# Altium PCB 电解模块主控板_V1.1_ZM_20211015.PcbDoc (part 4 of 4)
Units mm, origin at the board's own origin, x right, y up, seen from the top; angles counter-clockwise.
Board outline 150.25 x 100.26 mm, 2 copper layers (Top Layer, Bottom Layer); 200 components, 151 nets, 656 pads, 1528 vias.
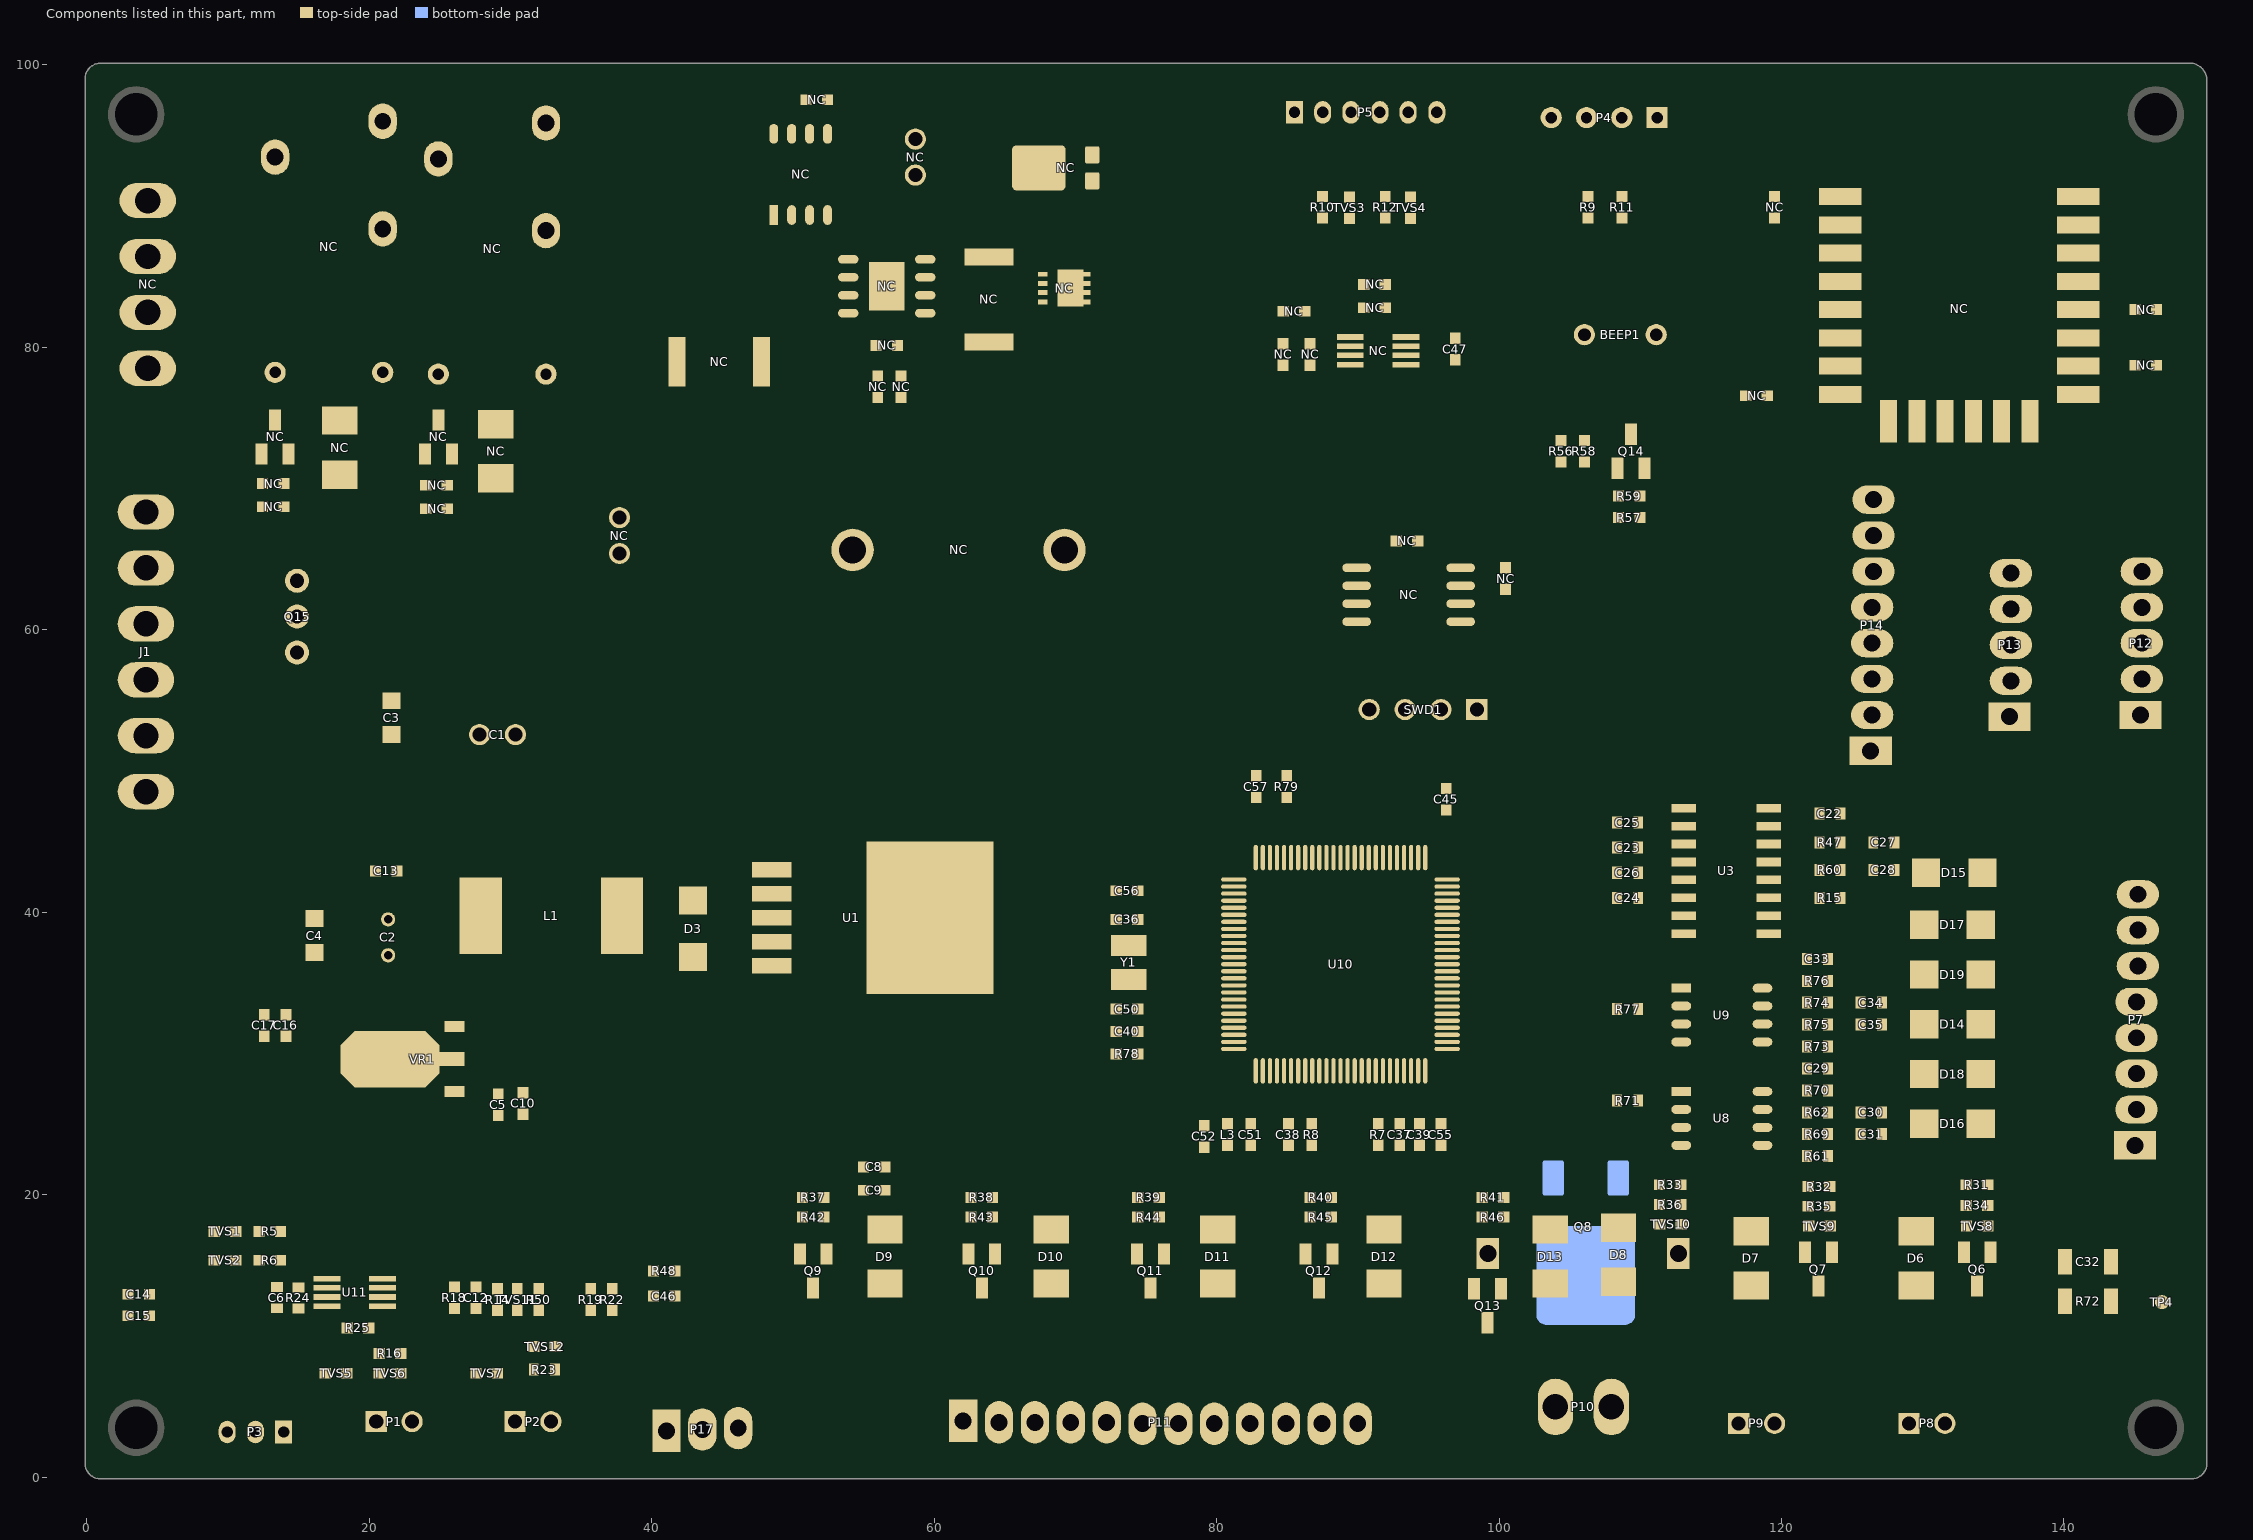
[diagram p4: the components of this part, seen from the top]

## Polygon pours and split planes (outlines as drawn)
RCS on Bottom Layer "Top Layer-No Net" (solid, remove dead copper, pour order 0): 11.049,98.806 14.732,98.806 16.002,98.806 16.256,98.552 16.383,98.425 25.908,98.425 27.432,98.425 27.813,98.044 31.496,94.361 37.084,94.361 38.1,94.361 42.672,89.789 44.069,88.392 44.069,77.724 44.069,77.343 43.307,76.581 43.18,76.454 40.259,76.454 38.862,76.454 38.1,77.216 37.084,78.232 37.084,80.391 37.084,86.487 35.179,88.392 34.163,89.408 30.48,89.408 11.303,89.408 10.795,89.916 10.16,90.551 10.16,94.488 10.16,97.917 11.049,98.806
GND on Bottom Layer "Top Layer-No Net" (solid, remove dead copper, pour order 12): -3.988,103.048 154.254,103.048 155.143,103.937 157.048,102.032 157.048,-4.521 120.726,-4.521 117.297,-7.95 113.487,-4.14 -5.004,-4.14 -5.004,103.937 -4.75,104.191
GND on Top Layer "Top Layer-No Net" (solid, remove dead copper, pour order 10): -19.431,108.204 -11.92,100.693 156.464,100.693 156.464,-1.651 -7.747,-1.651 -7.747,100.693

## Keep-outs
Keep-Out Layer:
  circle w0.127: c3.475,3.475 r3
  circle w0.127: c3.525,96.566 r3
  circle w0.127: c146.553,96.515 r3
  circle w0.127: c146.451,3.525 r3
  lines w0.254: 0.746,100 148.746,100 ; 1,100 ccw(c1,99) 0,99 0,1 ccw(c1,1) 1,0 149,0 ccw(c149,1) 150,1 150,99 ccw(c148.859,98.859) 148.717,100
Mechanical 1:
  lines w0.254: 0.762,100 148.762,100 ; 1.016,100 ccw(c1.016,99) 0.016,99 0.016,1 ccw(c1.016,1) 1.016,0 149.016,0 ccw(c149.016,1) 150.016,1 150.016,99 ccw(c148.875,98.859) 148.733,100

## Other copper
Top Layer:
  rectangle net NetC32_2: 144.094,1.295 148.692,16.637
  rectangle net NetC32_2: 142.799,11.278 148.184,16.637
  rectangle net GND: 55.753,81.534 57.531,87.122
  rectangle net GND: 52.578,36.703 66.675,42.799
  rectangle net GND: 57.785,33.909 61.976,45.466
  rectangle net GND: 13.183,57.963 16.743,58.776
  rectangle net GND: 14.478,57.302 15.367,59.334
  rectangle net GND: 1.422,56.032 7.315,57.15
  rectangle net GND: 3.226,46.584 4.826,58.242
  rectangle net GND: 1.27,52.095 7.163,52.984
  rectangle net GND: 1.524,48.133 7.264,49.2
  region net VDD12V: 13.614,66.599 13.64,66.573 20.218,66.573 21.463,65.329 21.463,62.789 20.23,61.555 17.344,61.555 16.365,62.535 13.513,62.535 13.183,62.865 13.437,63.119 13.437,66.396 13.564,66.523
  region net VDD12V1: 24.511,53.34 25.273,54.102 29.083,54.102 29.083,51.943 28.321,51.181 20.447,51.181 20.193,51.435 20.193,52.959 20.574,53.34
  region net RCS: 37.211,83.566 43.434,83.566 43.942,83.058 43.942,77.216 43.307,76.581 38.608,76.581 37.211,77.978
  region net NetNC_1: 1.524,83.82 22.987,83.82 29.337,90.17 33.782,90.17 35.56,88.392 35.56,81.788 33.274,79.502 10.287,79.502 7.747,76.962 0.762,76.962 0.508,77.216 0.508,82.804
  region net NetNC_1: 1.27,91.694 9.271,91.694 22.225,91.694 23.241,90.678 23.241,85.471 22.352,84.582 1.27,84.582 0.762,85.09 0.762,91.186
  region net VO+: 17.145,99.314 41.402,99.314 47.625,93.091 49.911,93.091 50.419,92.583 50.419,88.519 50.165,88.265 37.211,88.265 30.607,94.869 22.606,94.869 21.251,93.514 17.145,93.514 17.145,94.028 17.145,94.869
  region net VDD_ELE: 68.961,94.996 69.469,94.488 69.469,89.662 68.072,88.265 50.673,88.265 50.673,93.091 60.071,93.091 61.976,94.996
  region net NetNC_1: 77.851,59.69 79.248,61.087 79.248,93.091 77.47,94.869 69.85,94.869 69.85,86.868 68.603,85.503 68.603,75.819 65.532,72.074 65.532,59.69
  region net VDD12V: 19.177,58.928 53.467,58.928 57.023,62.484 57.023,71.374 56.007,72.39 44.196,72.39 38.354,66.548 19.177,66.548
  region net VDD12V: 2.794,70.104 9.271,70.104 12.776,66.599 15.926,66.599 15.926,62.509 12.979,62.509 9.271,58.801 2.794,58.801 1.905,59.69 1.905,69.215
Bottom Layer:
  rectangle net RCS: 12.827,91.694 13.843,95.631
  rectangle net RCS: 11.684,93.218 15.113,93.98
  rectangle net RCS: 24.511,90.932 25.273,93.472
  rectangle net RCS: 23.114,92.837 27.178,93.726
  rectangle net GND: 13.335,58.064 16.383,58.776
  region net NetD8_1: 103.911,17.932 103.937,17.958 109.931,17.958 110.388,17.501 110.388,4.674 108.458,2.743 106.705,2.743 106.248,3.2 106.248,9.5 105.054,10.693 103.022,10.693 102.184,11.532 102.184,17.501 102.616,17.932
  region net NetNC_1: 1.651,83.82 22.987,83.82 27.305,88.138 34.163,88.138 35.433,86.868 35.433,81.915 33.147,79.629 9.779,79.629 7.239,77.089 0.889,77.089 0.635,77.343 0.635,82.804
  region net NetNC_1: 6.35,91.694 9.271,88.773 22.606,88.773 23.114,88.265 23.114,85.344 22.352,84.582 1.143,84.582 0.508,85.217 0.508,91.059 1.143,91.694
  region net VO+: 17.145,99.314 41.402,99.314 47.625,93.091 49.911,93.091 50.419,92.583 50.419,88.519 50.165,88.265 43.18,88.265 30.734,94.869 22.606,94.869 21.765,94.028 17.145,94.028 17.145,94.869
  region net VDD12V: 2.794,70.104 9.271,70.104 12.776,66.599 15.977,66.599 15.977,62.535 13.005,62.535 9.271,58.801 2.794,58.801 1.905,59.69 1.905,69.215

## Silkscreen, mask and mechanical layers (free items; w line width, h text height)
Top Overlay:
  circle w0.5: c3.5,3.5 r2.5
  circle w0.5: c3.5,96.5 r2.5
  circle w0.5: c146.5,96.5 r2.5
  circle w0.5: c146.5,3.5 r2.5
  text "uart3" at 79.248,95.631 h2.03
  text "uart1" at 115.062,94.234 h2.03
  text "电解" at 7.366,93.472 h2.03
  text "+" at 9.906,89.408 h2.03
  text "+" at 9.906,85.852 h2.03
  text "-" at 10.287,82.169 h2.03 r90
  text "-" at 10.16,79.375 h2.03 r90
  text "+" at 10.668,67.564 h2.03
  text "+" at 10.541,64.135 h2.03
  text "12V" at 130.454,63.856 h1.27
  text "GND" at 130.683,61.112 h1.27
  text "+" at 10.795,60.198 h2.03
  text "A" at 131.648,59.106 h1.27
  text "-" at 11.684,56.515 h2.03 r90
  text "B" at 131.623,56.21 h1.27
  text "-" at 11.557,52.832 h2.03 r90
  text "AOPWMG_V1.3 202110105" at 49.276,50.927 h2.03
  text "-" at 11.557,49.276 h2.03 r90
  text "A" at 140.157,40.919 h1.27
  text "B" at 140.157,38.405 h1.27
  text "A" at 140.157,35.89 h1.27
  text "B" at 140.157,33.376 h1.27
  text "A" at 140.157,30.861 h1.27
  text "B" at 140.157,28.346 h1.27
  text "A" at 140.157,25.832 h1.27
  text "B" at 140.157,23.317 h1.27
  text "泵1" at 106.858,9.423 h1.27
  text "G" at 109.322,9.093 h1.02
  text "24V" at 99.314,9.042 h1.02
  text "高压开关" at 60.833,7.992 h1.27
  text "阀1" at 67.539,8.001 h1.27
  text "阀2" at 72.517,8.001 h1.27
  text "阀3" at 77.876,8.001 h1.27
  text "阀4" at 82.829,8.001 h1.27
  text "阀5" at 88.417,8.001 h1.27
  text "5V" at 45.695,7.925 h1.02
  text "流量计" at 41.224,7.823 h1.27
  text "G" at 39.522,7.772 h1.02
  text "泵3" at 129.718,6.934 h1.27
  text "泵2" at 116.789,6.807 h1.27
  text "G" at 133.325,6.756 h1.02
  text "24V" at 125.095,6.629 h1.02
  text "24V" at 113.182,6.604 h1.02
  text "G" at 119.583,6.401 h1.02
  text "水位开关" at 8.001,5.817 h1.27
  text "原水TDS" at 35.992,5.766 h1.27 r270
  text "G" at 14.199,5.512 h1.02
  text "进水TDS" at 26.162,5.359 h1.27 r270
Top Solder:
  lines w2.54: 24.155,6.502 24.155,17.17 ; 33.376,18.034 33.401,26.772
Bottom Solder:
  region: 6.35,91.694 7.899,90.145 22.606,90.145 22.606,85.471 22.098,84.963 0.762,84.963 0.762,91.313 1.143,91.694
  region: 1.27,83.185 23.368,83.185 29.718,89.535 33.782,89.535 35.052,88.265 35.052,82.296 32.512,79.756 9.779,79.756 7.239,77.216 0.762,77.216 0.762,82.677
  region: 17.145,99.314 41.402,99.314 47.625,93.091 49.911,93.091 50.419,92.583 50.419,88.519 50.165,88.265 43.18,88.265 29.777,95.377 22.352,95.377 21.003,94.028 17.145,94.028 17.145,94.869
  region: 25.908,59.436 52.959,59.436 56.388,62.865 56.388,71.247 55.753,71.882 45.847,71.882 39.751,65.786 25.908,65.786
  lines w2.54: 9.373,62.509 9.373,31.09 13.056,27.407 32.537,27.407 ; 24.155,6.502 32.582,6.502 ; 24.867,17.882 33.376,17.882 ; 33.206,7.4 34.442,8.636 67.141,8.636 ; 67.183,8.636 72.949,8.636 103.886,8.636

## Text inside footprints (layer, text, board x,y; h text height)
C1: Top Overlay "+" at 28.397,51.867 h1.52 r180
C2: Top Overlay "+" at 20.378,38.694 h1.02 r90
NC: Top Overlay "ESP8266" at 128.651,83.058 h1.02
NC: Top Overlay "COM" at 13.843,88.646 h0.8 r90
NC: Top Overlay "COM" at 25.4,88.519 h0.8 r90
NC: Top Overlay "+" at 38.43,65.989 h1.52 r270
NC: Top Overlay "+" at 59.385,92.786 h1.52 r270